# KiCad board vme-wren.kicad_pcb (continued)
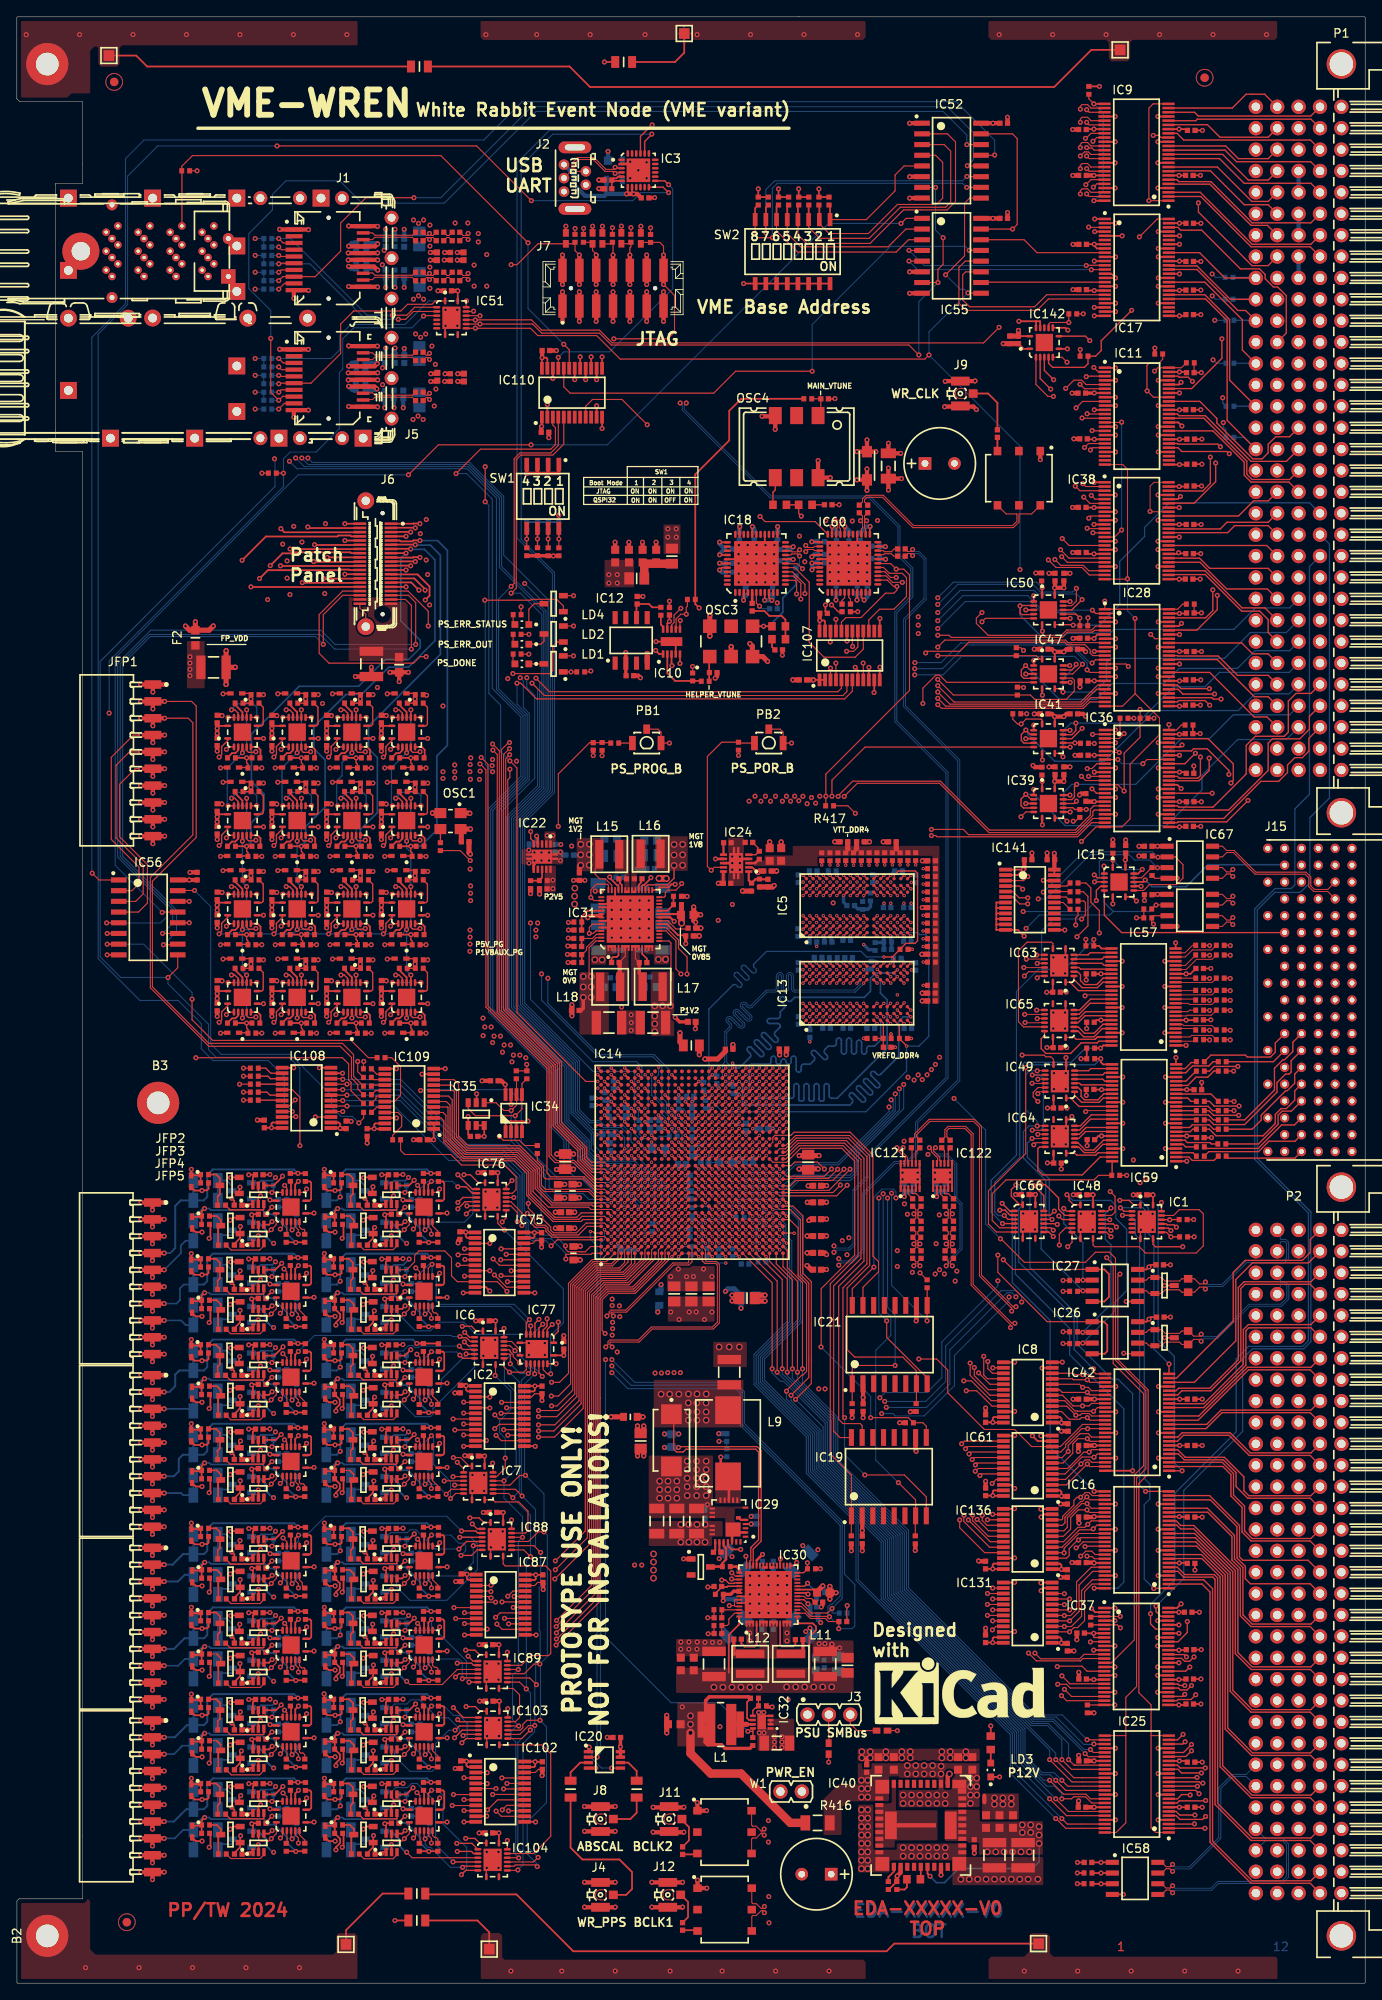
[diagram p0: board, top side]
## Library data of the parts (continued)
P2 = -: Datasheet: \\cern.ch\dfs\Applications\Altium\Datasheets\HARTING_02 01 160 2101.pdf; Description: HAR-BUS 64; SMD: No; Library Ref: Connector 160zabcd Male (5x32); Library Path: SchLib\Connectors.SchLib; Component Kind: Standard; Component Type: Standard; Pin Count: 162; Footprint Path: PcbLib\HARTING THD.PcbLib; Footprint Ref: HARTING_02 01 160 2101; Family: HAR-BUS 64; Mounted: Yes; Socket: No; PressFit: No; Sense: No; Status: None; Part Description: DIN 41612, har-bus 64, 160 poles,5 Rows z+a+b+c+d, Angled solder pins, Male contacts, Pitch 2.54mm; Manufacturer: HARTING; Manufacturer Part Number: 02 01 160 2101; ComponentHeight: 11.1mm; HelpURL: \\cern.ch\dfs\Applications\Altium\Datasheets\HARTING_02 01 160 2101.pdf; Author: CERN DEM JLC; CreateDate: 11/26/08 00:00:00; LatestRevisionDate: 07/26/22 00:00:00; Database Table Name: Connectors; Library Name: HARTING; Footprint Library: HARTING THD; License: CC-BY-SA 4.0; Field42: a; Field43: d; Field44: 10; Field45: 1; Field46: 5; Field47: 20; Field48: c; Field49: 32; Field50: 25; Field51: 30; Field52: b; Field53: 15
PB1 PB2 = -: Datasheet: \\cern.ch\dfs\Applications\Altium\Datasheets\PB_OMRON_B3U-1100P.pdf; Author: CERN DEM JLC; Component Kind: Standard; Component Type: Standard; ComponentHeight: 1.75mm; CreateDate: 03/16/10 00:00:00; Database Table Name: Eletro-mechanical; Family: Push Button; Footprint Library: Switches; Footprint Path: PcbLib\Switches.PcbLib; HelpURL: \\cern.ch\dfs\Applications\Altium\Datasheets\PB_OMRON_B3U-1100P.pdf; LatestRevisionDate: 03/16/10 00:00:00; Library Name: Switches; Library Path: SchLib\Switches.SchLib; Library Ref: PB SPST 1NO-2NO 3CASE; License: CC-BY-SA 4.0; Manufacturer: OMRON; Mounted: Yes; PackageDescription: Body 1.2x3x2.5mm Ultra-Small Tactile SPST Pushbutton Switch, (with Ground Terminal), OMRON B3U Series; Part Description: 3x2.5mm Ultra-Small Tactile SPST Pushbutton Switch (with Ground Terminal),Contact Rating 50mA 12VDC, B3U Series; Pin Count: 3; PressFit: No; SMD: Yes; Sense: No; Socket: No; Status: None
R1 R20-R23 R34 R57 R58 = -: Datasheet: \\cern.ch\dfs\Applications\Altium\Datasheets\R0402_Phycomp_RC0402.pdf; Author: CERN DEM JLC; Case: 0402; Comment: 240; Component Kind: Standard; Component Type: Standard; CreateDate: 12/03/07 00:00:00; Database Table Name: Resistors; Footprint Library: Resistors SMD; Footprint Path: PcbLib\Resistors SMD.PcbLib; Footprint Ref: RESC1005X40N; HelpURL: \\cern.ch\dfs\Applications\Altium\Datasheets\R0402_Phycomp_RC0402.pdf; LatestRevisionDate: 10/17/12 00:00:00; Library Name: Resistors SMD; Library Path: SchLib\Resistors.SchLib; Library Ref: Resistor - 1%; License: CC-BY-SA 4.0; Manufacturer: GENERIC; Manufacturer1 ComponentHeight: 0.4mm; Manufacturer1 Example: YAGEO PHYCOMP; Manufacturer1 Part Number: 232270672401L; Mounted: Yes; Part Description: General Purpose Thick Film Chip Resistor; Pin Count: 2; Power: 0.0625W; PressFit: No; SMD: Yes; Sense: No; Socket: No; Status: Not Recommended; TC: ±100ppm/°C; Tolerance: ±1%; Val: 240
R2 = -: Datasheet: \\cern.ch\dfs\Applications\Altium\Datasheets\R0402_Phycomp_RC0402.pdf; Description: ±1%; TC: ±100ppm/°C; SMD: Yes; Tolerance: ±1%; Val: 300; Library Ref: Resistor - 1%; Library Path: SchLib\Resistors.SchLib; Comment: 300; Component Kind: Standard; Component Type: Standard; Pin Count: 2; Footprint Path: PcbLib\Resistors SMD.PcbLib; Footprint Ref: RESC1005X40N; Status: Not Recommended; Power: 0.0625W; Part Description: General Purpose Thick Film Chip Resistor; Manufacturer: GENERIC; Case: 0402; PressFit: No; Mounted: Yes; Sense: No; Socket: No; Manufacturer1 Example: YAGEO PHYCOMP; Manufacturer1 Part Number: 232270673001L; Manufacturer1 ComponentHeight: 0.4mm; HelpURL: \\cern.ch\dfs\Applications\Altium\Datasheets\R0402_Phycomp_RC0402.pdf; Author: CERN DEM JLC; CreateDate: 12/03/07 00:00:00; LatestRevisionDate: 10/17/12 00:00:00; Database Table Name: Resistors; Library Name: Resistors SMD; Footprint Library: Resistors SMD; License: CC-BY-SA 4.0
R3 R4 = -: Datasheet: \\cern.ch\dfs\Applications\Altium\Datasheets\R0402_Phycomp_RC0402.pdf; Description: ±1%; Author: CERN DEM JLC; Case: 0402; Comment: 300; Component Kind: Standard; Component Type: Standard; CreateDate: 12/03/07 00:00:00; Database Table Name: Resistors; Footprint Library: Resistors SMD; Footprint Path: PcbLib\Resistors SMD.PcbLib; Footprint Ref: RESC1005X40N; HelpURL: \\cern.ch\dfs\Applications\Altium\Datasheets\R0402_Phycomp_RC0402.pdf; LatestRevisionDate: 10/17/12 00:00:00; Library Name: Resistors SMD; Library Path: SchLib\Resistors.SchLib; Library Ref: Resistor - 1%; License: CC-BY-SA 4.0; Manufacturer: GENERIC; Manufacturer1 ComponentHeight: 0.4mm; Manufacturer1 Example: YAGEO PHYCOMP; Manufacturer1 Part Number: 232270673001L; Mounted: Yes; Part Description: General Purpose Thick Film Chip Resistor; Pin Count: 2; Power: 0.0625W; PressFit: No; SMD: Yes; Sense: No; Socket: No; Status: Not Recommended; TC: ±100ppm/°C; Tolerance: ±1%; Val: 300
R5 R19 R254 R255 R390 R392 R394 R446 = -: Datasheet: \\cern.ch\dfs\Applications\Altium\Datasheets\R0402_Phycomp_RC0402.pdf; TC: ±100ppm/°C; SMD: Yes; Tolerance: ±1%; Val: 4k7; Library Ref: Resistor - 1%; Library Path: SchLib\Resistors.SchLib; Comment: 4k7; Component Kind: Standard; Component Type: Standard; Pin Count: 2; Footprint Path: PcbLib\Resistors SMD.PcbLib; Footprint Ref: RESC1005X40N; Status: Not Recommended; Power: 0.0625W; Part Description: General Purpose Thick Film Chip Resistor; Manufacturer: GENERIC; Case: 0402; PressFit: No; Mounted: Yes; Sense: No; Socket: No; Manufacturer1 Example: YAGEO PHYCOMP; Manufacturer1 Part Number: 232270674702L; Manufacturer1 ComponentHeight: 0.4mm; HelpURL: \\cern.ch\dfs\Applications\Altium\Datasheets\R0402_Phycomp_RC0402.pdf; Author: CERN DEM JLC; CreateDate: 12/03/07 00:00:00; LatestRevisionDate: 10/17/12 00:00:00; Database Table Name: Resistors; Library Name: Resistors SMD; Footprint Library: Resistors SMD; License: CC-BY-SA 4.0
R6 R10 R40 R48 R49 R55 R56 R59-R61 R67-R69 R89 R90 R92 R95 R98 R99 R101-R104 R114 R117 R121 R122 R124 R126 R133 R140 R141 R148 R154 R155 R171 R177 R178 R186 R189 R192 R204 R223 R260 R263-R266 R273 R274 R287 R288 R301 R302 R315 R316 R329 R330 R343 R344 R357 R358 R371 R372 R385 = -: Datasheet: \\cern.ch\dfs\Applications\Altium\Datasheets\R0402_Phycomp_RC0402.pdf; Description: ±1%; TC: ±100ppm/°C; SMD: Yes; Val: 10k; Library Ref: Resistor - 1%; Library Path: SchLib\Resistors.SchLib; Comment: 10k; Component Kind: Standard; Component Type: Standard; Pin Count: 2; Footprint Path: PcbLib\Resistors SMD.PcbLib; Footprint Ref: RESC1005X40N; Status: Not Recommended; Power: 0.0625W; Tolerance: ±1%; Part Description: General Purpose Thick Film Chip Resistor; Manufacturer: GENERIC; Case: 0402; PressFit: No; Mounted: Yes; Sense: No; Socket: No; Manufacturer1 Example: YAGEO PHYCOMP; Manufacturer1 Part Number: 232270671003L; Manufacturer1 ComponentHeight: 0.4mm; HelpURL: \\cern.ch\dfs\Applications\Altium\Datasheets\R0402_Phycomp_RC0402.pdf; Author: CERN DEM JLC; CreateDate: 12/03/07 00:00:00; LatestRevisionDate: 10/17/12 00:00:00; Database Table Name: Resistors; Library Name: Resistors SMD; Footprint Library: Resistors SMD; License: CC-BY-SA 4.0
R7 R24 R62 R118 R120 R125 R127 R128 R212 R227 = -: Datasheet: \\cern.ch\dfs\Applications\Altium\Datasheets\R0402_Phycomp_RC0402.pdf; Author: CERN DEM JLC; Case: 0402; Comment: 10k; Component Kind: Standard; Component Type: Standard; CreateDate: 12/03/07 00:00:00; Database Table Name: Resistors; Footprint Library: Resistors SMD; Footprint Path: PcbLib\Resistors SMD.PcbLib; Footprint Ref: RESC1005X40N; HelpURL: \\cern.ch\dfs\Applications\Altium\Datasheets\R0402_Phycomp_RC0402.pdf; LatestRevisionDate: 10/17/12 00:00:00; Library Name: Resistors SMD; Library Path: SchLib\Resistors.SchLib; Library Ref: Resistor - 1%; License: CC-BY-SA 4.0; Manufacturer: GENERIC; Manufacturer1 ComponentHeight: 0.4mm; Manufacturer1 Example: YAGEO PHYCOMP; Manufacturer1 Part Number: 232270671003L; Mounted: Yes; Part Description: General Purpose Thick Film Chip Resistor; Pin Count: 2; Power: 0.0625W; PressFit: No; SMD: Yes; Sense: No; Socket: No; Status: Not Recommended; TC: ±100ppm/°C; Tolerance: ±1%; Val: 10k
R8 R9 R12-R16 R25 R26 R46 R51-R54 R64 R113 R115 R168-R170 R226 = -: Datasheet: \\cern.ch\dfs\Applications\Altium\Datasheets\R0402_Phycomp_RC0402.pdf; Author: CERN DEM JLC; Case: 0402; Comment: 4k7; Component Kind: Standard; Component Type: Standard; CreateDate: 12/03/07 00:00:00; Database Table Name: Resistors; Footprint Library: Resistors SMD; Footprint Path: PcbLib\Resistors SMD.PcbLib; Footprint Ref: RESC1005X40N; HelpURL: \\cern.ch\dfs\Applications\Altium\Datasheets\R0402_Phycomp_RC0402.pdf; LatestRevisionDate: 10/17/12 00:00:00; Library Name: Resistors SMD; Library Path: SchLib\Resistors.SchLib; Library Ref: Resistor - 1%; License: CC-BY-SA 4.0; Manufacturer: GENERIC; Manufacturer1 ComponentHeight: 0.4mm; Manufacturer1 Example: YAGEO PHYCOMP; Manufacturer1 Part Number: 232270674702L; Mounted: Yes; Part Description: General Purpose Thick Film Chip Resistor; Pin Count: 2; Power: 0.0625W; PressFit: No; SMD: Yes; Sense: No; Socket: No; Status: Not Recommended; TC: ±100ppm/°C; Tolerance: ±1%; Val: 4k7
R11 = -: Datasheet: \\cern.ch\dfs\Applications\Altium\Datasheets\R0402_VISHAY_PNM.pdf; Author: CERN DEM JLC; Case: 0402; Comment: 500; Component Kind: Standard; Component Type: Standard; ComponentHeight: 0.84mm; CreateDate: 08/22/18 00:00:00; Database Table Name: Resistors; Footprint Library: Resistors SMD; Footprint Path: PcbLib\Resistors SMD.PcbLib; Footprint Ref: RESC1106X84N; HelpURL: \\cern.ch\dfs\Applications\Altium\Datasheets\R0402_VISHAY_PNM.pdf; LatestRevisionDate: 08/22/18 00:00:00; Library Name: Resistors SMD; Library Path: SchLib\Resistors.SchLib; Library Ref: Resistor - 0.1%; License: CC-BY-SA 4.0; Manufacturer: VISHAY; Manufacturer Part Number: PNM0402E5000BST1; Mounted: Yes; Part Description: Surface Mount Precision Thin Film Non-Magnetic Resistor; Pin Count: 2; Power: 0.05W; PressFit: No; SMD: Yes; Sense: No; Socket: No; Status: None; TC: ±25ppm/°C; Tolerance: ±0.1%; Val: 500
R17 R18 R30 R31 R389 R391 R393 R395 = -: Datasheet: \\cern.ch\dfs\Applications\Altium\Datasheets\R0402_Phycomp_RC0402.pdf; SMD: Yes; TC: ±100ppm/°C; Tolerance: ±1%; Val: 4k7; Library Ref: Resistor - 1%; Library Path: SchLib\Resistors.SchLib; Comment: 4k7; Component Kind: Standard; Component Type: Standard; Pin Count: 2; Footprint Path: PcbLib\Resistors SMD.PcbLib; Footprint Ref: RESC1005X40N; Status: Not Recommended; Power: 0.0625W; Part Description: General Purpose Thick Film Chip Resistor; Manufacturer: GENERIC; Case: 0402; PressFit: No; Mounted: Yes; Sense: No; Socket: No; Manufacturer1 Example: YAGEO PHYCOMP; Manufacturer1 Part Number: 232270674702L; Manufacturer1 ComponentHeight: 0.4mm; HelpURL: \\cern.ch\dfs\Applications\Altium\Datasheets\R0402_Phycomp_RC0402.pdf; Author: CERN DEM JLC; CreateDate: 12/03/07 00:00:00; LatestRevisionDate: 10/17/12 00:00:00; Database Table Name: Resistors; Library Name: Resistors SMD; Footprint Library: Resistors SMD; License: CC-BY-SA 4.0
R27 R190 R191 = -: Datasheet: \\cern.ch\dfs\Applications\Altium\Datasheets\R0402_Phycomp_RC0402.pdf; Author: CERN DEM JLC; Case: 0402; Comment: 22; Component Kind: Standard; Component Type: Standard; CreateDate: 12/03/07 00:00:00; Database Table Name: Resistors; Footprint Library: Resistors SMD; Footprint Path: PcbLib\Resistors SMD.PcbLib; Footprint Ref: RESC1005X40N; HelpURL: \\cern.ch\dfs\Applications\Altium\Datasheets\R0402_Phycomp_RC0402.pdf; LatestRevisionDate: 10/17/12 00:00:00; Library Name: Resistors SMD; Library Path: SchLib\Resistors.SchLib; Library Ref: Resistor - 1%; License: CC-BY-SA 4.0; Manufacturer: GENERIC; Manufacturer1 ComponentHeight: 0.4mm; Manufacturer1 Example: YAGEO PHYCOMP; Manufacturer1 Part Number: 232270672209L; Mounted: Yes; Part Description: General Purpose Thick Film Chip Resistor; Pin Count: 2; Power: 0.0625W; PressFit: No; SMD: Yes; Sense: No; Socket: No; Status: Not Recommended; TC: ±100ppm/°C; Tolerance: ±1%; Val: 22
R28 R33 R50 R93 R123 R129 R130 R142-R145 R156-R159 R164 R179 R180 R182 R183 R218-R220 R275-R278 R281 R289-R292 R295 R303-R306 R317-R320 R331-R334 R337 R345-R348 R351 R359-R362 R365 R373-R376 R379 R404-R407 R418-R421 R432-R435 R438 R448 R508 R509 R512-R515 R518-R521 R524-R527 R530-R533 R536-R539 R542-R545 R548-R551 R554-R557 R560-R563 R566-R569 R572-R575 R578-R581 = -: Datasheet: \\cern.ch\dfs\Applications\Altium\Datasheets\R0402_Phycomp_RC0402.pdf; TC: ±200ppm/°C; SMD: Yes; Tolerance: ±1%; Val: 4R7; Library Ref: Resistor - 1%; Library Path: SchLib\Resistors.SchLib; Comment: 4R7; Component Kind: Standard; Component Type: Standard; Pin Count: 2; Footprint Path: PcbLib\Resistors SMD.PcbLib; Footprint Ref: RESC1005X40N; Status: Not Recommended; Power: 0.0625W; Part Description: General Purpose Thick Film Chip Resistor; Manufacturer: GENERIC; Case: 0402; PressFit: No; Mounted: Yes; Sense: No; Socket: No; Manufacturer1 Example: YAGEO PHYCOMP; Manufacturer1 Part Number: 232270674708L; Manufacturer1 ComponentHeight: 0.4mm; HelpURL: \\cern.ch\dfs\Applications\Altium\Datasheets\R0402_Phycomp_RC0402.pdf; Author: CERN DEM JLC; CreateDate: 12/03/07 00:00:00; LatestRevisionDate: 10/17/12 00:00:00; Database Table Name: Resistors; Library Name: Resistors SMD; Footprint Library: Resistors SMD; License: CC-BY-SA 4.0
R29 R32 = -: Datasheet: \\cern.ch\dfs\Applications\Altium\Datasheets\R0402_Phycomp_RC0402.pdf; Author: CERN DEM JLC; Case: 0402; Comment: 4R7; Component Kind: Standard; Component Type: Standard; CreateDate: 12/03/07 00:00:00; Database Table Name: Resistors; Footprint Library: Resistors SMD; Footprint Path: PcbLib\Resistors SMD.PcbLib; Footprint Ref: RESC1005X40N; HelpURL: \\cern.ch\dfs\Applications\Altium\Datasheets\R0402_Phycomp_RC0402.pdf; LatestRevisionDate: 10/17/12 00:00:00; Library Name: Resistors SMD; Library Path: SchLib\Resistors.SchLib; Library Ref: Resistor - 1%; License: CC-BY-SA 4.0; Manufacturer: GENERIC; Manufacturer1 ComponentHeight: 0.4mm; Manufacturer1 Example: YAGEO PHYCOMP; Manufacturer1 Part Number: 232270674708L; Mounted: Yes; Part Description: General Purpose Thick Film Chip Resistor; Pin Count: 2; Power: 0.0625W; PressFit: No; SMD: Yes; Sense: No; Socket: No; Status: Not Recommended; TC: ±200ppm/°C; Tolerance: ±1%; Val: 4R7
R35 R131 R132 R146 R147 R166 R167 R184 R185 R267 R279 R280 R293 R294 R307-R309 R321-R323 R335 R336 R349 R350 R363 R364 R377 R378 R408-R410 R422-R424 R436 R437 R510 R511 R516 R517 R522 R523 R528 R529 R534 R535 R540 R541 R546 R547 R552 R553 R558 R559 R564 R565 R570 R571 R576 R577 R582 R583 = -: Datasheet: \\cern.ch\dfs\Applications\Altium\Datasheets\R0402_Phycomp_RC0402.pdf; TC: ±100ppm/°C; SMD: Yes; Tolerance: ±1%; Val: 1k; Library Ref: Resistor - 1%; Library Path: SchLib\Resistors.SchLib; Comment: 1k; Component Kind: Standard; Component Type: Standard; Pin Count: 2; Footprint Path: PcbLib\Resistors SMD.PcbLib; Footprint Ref: RESC1005X40N; Status: Not Recommended; Power: 0.0625W; Part Description: General Purpose Thick Film Chip Resistor; Manufacturer: GENERIC; Case: 0402; PressFit: No; Mounted: Yes; Sense: No; Socket: No; Manufacturer1 Example: YAGEO PHYCOMP; Manufacturer1 Part Number: 232270671002L; Manufacturer1 ComponentHeight: 0.4mm; HelpURL: \\cern.ch\dfs\Applications\Altium\Datasheets\R0402_Phycomp_RC0402.pdf; Author: CERN DEM JLC; CreateDate: 12/03/07 00:00:00; LatestRevisionDate: 10/17/12 00:00:00; Database Table Name: Resistors; Library Name: Resistors SMD; Footprint Library: Resistors SMD; License: CC-BY-SA 4.0
R36 R63 R207 R215 = -: Datasheet: \\cern.ch\dfs\Applications\Altium\Datasheets\R0402_Phycomp_RC0402.pdf; Author: CERN DEM JLC; Case: 0402; Comment: 1k; Component Kind: Standard; Component Type: Standard; CreateDate: 12/03/07 00:00:00; Database Table Name: Resistors; Footprint Library: Resistors SMD; Footprint Path: PcbLib\Resistors SMD.PcbLib; Footprint Ref: RESC1005X40N; HelpURL: \\cern.ch\dfs\Applications\Altium\Datasheets\R0402_Phycomp_RC0402.pdf; LatestRevisionDate: 10/17/12 00:00:00; Library Name: Resistors SMD; Library Path: SchLib\Resistors.SchLib; Library Ref: Resistor - 1%; License: CC-BY-SA 4.0; Manufacturer: GENERIC; Manufacturer1 ComponentHeight: 0.4mm; Manufacturer1 Example: YAGEO PHYCOMP; Manufacturer1 Part Number: 232270671002L; Mounted: Yes; Part Description: General Purpose Thick Film Chip Resistor; Pin Count: 2; Power: 0.0625W; PressFit: No; SMD: Yes; Sense: No; Socket: No; Status: Not Recommended; TC: ±100ppm/°C; Tolerance: ±1%; Val: 1k
R37 = -: Datasheet: \\cern.ch\dfs\Applications\Altium\Datasheets\R0402_Phycomp_RC0402.pdf; Author: CERN DEM JLC; Case: 0402; Comment: 75k; Component Kind: Standard; Component Type: Standard; CreateDate: 12/03/07 00:00:00; Database Table Name: Resistors; Footprint Library: Resistors SMD; Footprint Path: PcbLib\Resistors SMD.PcbLib; Footprint Ref: RESC1005X40N; HelpURL: \\cern.ch\dfs\Applications\Altium\Datasheets\R0402_Phycomp_RC0402.pdf; LatestRevisionDate: 10/17/12 00:00:00; Library Name: Resistors SMD; Library Path: SchLib\Resistors.SchLib; Library Ref: Resistor - 1%; License: CC-BY-SA 4.0; Manufacturer: GENERIC; Manufacturer1 ComponentHeight: 0.4mm; Manufacturer1 Example: YAGEO PHYCOMP; Manufacturer1 Part Number: 232270677503L; Mounted: Yes; Part Description: General Purpose Thick Film Chip Resistor; Pin Count: 2; Power: 0.0625W; PressFit: No; SMD: Yes; Sense: No; Socket: No; Status: Not Recommended; TC: ±100ppm/°C; Tolerance: ±1%; Val: 75k
R38 R39 = -: Datasheet: \\cern.ch\dfs\Applications\Altium\Datasheets\R0805_Phycomp_RC0805.pdf; Author: CERN DEM JLC; Case: 0805; Comment: 4R7; Component Kind: Standard; Component Type: Standard; CreateDate: 12/03/07 00:00:00; Database Table Name: Resistors; Footprint Library: Resistors SMD; Footprint Path: PcbLib\Resistors SMD.PcbLib; Footprint Ref: RESC2012X60N; HelpURL: \\cern.ch\dfs\Applications\Altium\Datasheets\R0805_Phycomp_RC0805.pdf; LatestRevisionDate: 10/17/12 00:00:00; Library Name: Resistors SMD; Library Path: SchLib\Resistors.SchLib; Library Ref: Resistor - 1%; License: CC-BY-SA 4.0; Manufacturer: GENERIC; Manufacturer1 ComponentHeight: 0.65mm; Manufacturer1 Example: YAGEO PHYCOMP; Manufacturer1 Part Number: 232273464708L or RC0805FR-074R7L; Mounted: Yes; Part Description: General Purpose Thick Film Chip Resistor; Pin Count: 2; Power: 0.125W; PressFit: No; SMD: Yes; Sense: No; Socket: No; Status: Preferred; TC: ±200ppm/°C; Tolerance: ±1%; Val: 4R7
R41 R135 R149 R172 R268 R282 R296 R310 R324 R338 R352 R366 R380 R411 R425 R439 R454 R457 R459 R461 R464-R507 = -: Datasheet: \\cern.ch\dfs\Applications\Altium\Datasheets\R1206_NIC_NRC.pdf; Description: ±1%; Val: 91; Library Ref: Resistor - 1%; Library Path: SchLib\Resistors.SchLib; Comment: 91; Component Kind: Standard; Component Type: Standard; Pin Count: 2; Footprint Path: PcbLib\Resistors SMD.PcbLib; Footprint Ref: RESC3216X65N; Status: Preferred; Power: 0.25W; TC: ±100ppm/°C; Tolerance: ±1%; Part Description: General Purpose Thick Film Chip Resistor; Manufacturer: GENERIC; Case: 1206; PressFit: No; Mounted: Yes; Sense: No; Socket: No; SMD: Yes; Manufacturer1 Example: NIC COMPONENT; Manufacturer1 Part Number: NRC12F91R0TRF; Manufacturer1 ComponentHeight: 0.65mm; HelpURL: \\cern.ch\dfs\Applications\Altium\Datasheets\R1206_NIC_NRC.pdf; Author: CERN DEM JLC; CreateDate: 12/03/07 00:00:00; LatestRevisionDate: 03/13/08 00:00:00; Database Table Name: Resistors; Library Name: Resistors SMD; Footprint Library: Resistors SMD; License: CC-BY-SA 4.0
R42 R43 R45 R47 R136-R139 R150-R153 R173-R176 R269-R272 R283-R286 R297-R300 R311-R314 R325-R328 R339-R342 R353-R356 R367-R370 R381-R384 R412-R415 R426-R429 R440-R445 = -: Datasheet: \\cern.ch\dfs\Applications\Altium\Datasheets\R0402_Phycomp_RC0402.pdf; TC: ±100ppm/°C; SMD: Yes; Tolerance: ±1%; Val: 100; Library Ref: Resistor - 1%; Library Path: SchLib\Resistors.SchLib; Comment: 100; Component Kind: Standard; Component Type: Standard; Pin Count: 2; Footprint Path: PcbLib\Resistors SMD.PcbLib; Footprint Ref: RESC1005X40N; Status: Not Recommended; Power: 0.0625W; Part Description: General Purpose Thick Film Chip Resistor; Manufacturer: GENERIC; Case: 0402; PressFit: No; Mounted: Yes; Sense: No; Socket: No; Manufacturer1 Example: YAGEO PHYCOMP; Manufacturer1 Part Number: 232270671001L; Manufacturer1 ComponentHeight: 0.4mm; HelpURL: \\cern.ch\dfs\Applications\Altium\Datasheets\R0402_Phycomp_RC0402.pdf; Author: CERN DEM JLC; CreateDate: 12/03/07 00:00:00; LatestRevisionDate: 10/17/12 00:00:00; Database Table Name: Resistors; Library Name: Resistors SMD; Footprint Library: Resistors SMD; License: CC-BY-SA 4.0
R44 R119 R160-R163 R194 R195 R222 = -: Datasheet: \\cern.ch\dfs\Applications\Altium\Datasheets\R0402_Phycomp_RC0402.pdf; Author: CERN DEM JLC; Case: 0402; Comment: 100; Component Kind: Standard; Component Type: Standard; CreateDate: 12/03/07 00:00:00; Database Table Name: Resistors; Footprint Library: Resistors SMD; Footprint Path: PcbLib\Resistors SMD.PcbLib; Footprint Ref: RESC1005X40N; HelpURL: \\cern.ch\dfs\Applications\Altium\Datasheets\R0402_Phycomp_RC0402.pdf; LatestRevisionDate: 10/17/12 00:00:00; Library Name: Resistors SMD; Library Path: SchLib\Resistors.SchLib; Library Ref: Resistor - 1%; License: CC-BY-SA 4.0; Manufacturer: GENERIC; Manufacturer1 ComponentHeight: 0.4mm; Manufacturer1 Example: YAGEO PHYCOMP; Manufacturer1 Part Number: 232270671001L; Mounted: Yes; Part Description: General Purpose Thick Film Chip Resistor; Pin Count: 2; Power: 0.0625W; PressFit: No; SMD: Yes; Sense: No; Socket: No; Status: Not Recommended; TC: ±100ppm/°C; Tolerance: ±1%; Val: 100
R65 R66 R86 R94 = -: Datasheet: \\cern.ch\dfs\Applications\Altium\Datasheets\R0402_Phycomp_RC0402.pdf; Author: CERN DEM JLC; Case: 0402; Comment: 0; Component Kind: Standard; Component Type: Standard; CreateDate: 12/03/07 00:00:00; Database Table Name: Resistors; Footprint Library: Resistors SMD; Footprint Path: PcbLib\Resistors SMD.PcbLib; Footprint Ref: RESC1005X40N; HelpURL: \\cern.ch\dfs\Applications\Altium\Datasheets\R0402_Phycomp_RC0402.pdf; LatestRevisionDate: 10/17/12 00:00:00; Library Name: Resistors SMD; Library Path: SchLib\Resistors.SchLib; Library Ref: Resistor; License: CC-BY-SA 4.0; Manufacturer: GENERIC; Manufacturer1 ComponentHeight: 0.4mm; Manufacturer1 Example: YAGEO PHYCOMP; Manufacturer1 Part Number: 232270591001L; Mounted: No; Part Description: 1A (0.05R Max DC Resistance) Zero Ohm Jumper; Pin Count: 2; PressFit: No; SMD: Yes; Sense: No; Socket: No; Status: Not Recommended; Val: 0
R70-R85 R91 R96 R97 R105-R110 = -: Datasheet: \\cern.ch\dfs\Applications\Altium\Datasheets\R0402_VISHAY_CRCW e3.pdf; Author: CERN DEM BC; Case: 0402; Comment: 39R2; Component Kind: Standard; Component Type: Standard; CreateDate: 11/17/20 00:00:00; Database Table Name: Resistors; Footprint Library: Resistors SMD; Footprint Path: PcbLib\Resistors SMD.PcbLib; Footprint Ref: RESC1005X40N; HelpURL: \\cern.ch\dfs\Applications\Altium\Datasheets\R0402_VISHAY_CRCW e3.pdf; LatestRevisionDate: 11/17/20 00:00:00; Library Name: Resistors SMD; Library Path: SchLib\Resistors.SchLib; Library Ref: Resistor - 1%; License: CC-BY-SA 4.0; Manufacturer: GENERIC; Manufacturer1 ComponentHeight: 0.4mm; Manufacturer1 Example: VISHAY; Manufacturer1 Part Number: CRCW040239R2FK; Mounted: Yes; Part Description: General Purpose Thick Film Chip Resistor; Pin Count: 2; Power: 0.063W; PressFit: No; SMD: Yes; Sense: No; Socket: No; Status: None; TC: ±100ppm/°C; Tolerance: ±1%; Val: 39R2
R87 R88 = -: Datasheet: \\cern.ch\dfs\Applications\Altium\Datasheets\R0603_TYCO_CRGH.pdf; Description: ±1%; Val: 120; Library Ref: Resistor - 1%; Library Path: SchLib\Resistors.SchLib; Comment: 120; Component Kind: Standard; Component Type: Standard; Pin Count: 2; Footprint Path: PcbLib\Resistors SMD.PcbLib; Footprint Ref: RESC1608X55N; Status: Preferred; Power: 0.2W; TC: ±200ppm/°C; Tolerance: ±1%; Part Description: General Purpose Thick Film Chip Resistor; Manufacturer: GENERIC; Case: 0603; PressFit: No; Mounted: Yes; Sense: No; Socket: No; SMD: Yes; Manufacturer1 Example: TE CONNECTIVITY; Manufacturer1 Part Number: CRGH0603F120R; Manufacturer1 ComponentHeight: 0.55mm; HelpURL: \\cern.ch\dfs\Applications\Altium\Datasheets\R0603_TYCO_CRGH.pdf; Author: CERN DEM HF; CreateDate: 02/24/23 00:00:00; LatestRevisionDate: 02/24/23 00:00:00; Database Table Name: Resistors; Library Name: Resistors SMD; Footprint Library: Resistors SMD; License: CC-BY-SA 4.0
R100 = -: Datasheet: \\cern.ch\dfs\Applications\Altium\Datasheets\R0402_VISHAY_CRCW e3.pdf; Description: ±1%; TC: ±100ppm/°C; SMD: Yes; Val: 90K9; Library Ref: Resistor - 1%; Library Path: SchLib\Resistors.SchLib; Comment: 90K9; Component Kind: Standard; Component Type: Standard; Pin Count: 2; Footprint Path: PcbLib\Resistors SMD.PcbLib; Footprint Ref: RESC1005X40N; Status: None; Power: 0.063W; Tolerance: ±1%; Part Description: General Purpose Thick Film Chip Resistor; Manufacturer: GENERIC; Case: 0402; PressFit: No; Mounted: Yes; Sense: No; Socket: No; Manufacturer1 Example: VISHAY; Manufacturer1 Part Number: CRCW040290K9FK; Manufacturer1 ComponentHeight: 0.4mm; HelpURL: \\cern.ch\dfs\Applications\Altium\Datasheets\R0402_VISHAY_CRCW e3.pdf; Author: CERN DEM BC; CreateDate: 01/10/20 00:00:00; LatestRevisionDate: 01/10/20 00:00:00; Database Table Name: Resistors; Library Name: Resistors SMD; Footprint Library: Resistors SMD; License: CC-BY-SA 4.0
R111 R112 = -: Datasheet: \\cern.ch\dfs\Applications\Altium\Datasheets\R0402_Phycomp_RC0402.pdf; Author: CERN DEM JLC; Case: 0402; Comment: 36; Component Kind: Standard; Component Type: Standard; CreateDate: 12/03/07 00:00:00; Database Table Name: Resistors; Footprint Library: Resistors SMD; Footprint Path: PcbLib\Resistors SMD.PcbLib; Footprint Ref: RESC1005X40N; HelpURL: \\cern.ch\dfs\Applications\Altium\Datasheets\R0402_Phycomp_RC0402.pdf; LatestRevisionDate: 10/17/12 00:00:00; Library Name: Resistors SMD; Library Path: SchLib\Resistors.SchLib; Library Ref: Resistor - 1%; License: CC-BY-SA 4.0; Manufacturer: GENERIC; Manufacturer1 ComponentHeight: 0.4mm; Manufacturer1 Example: YAGEO PHYCOMP; Manufacturer1 Part Number: 232270673609L; Mounted: Yes; Part Description: General Purpose Thick Film Chip Resistor; Pin Count: 2; Power: 0.0625W; PressFit: No; SMD: Yes; Sense: No; Socket: No; Status: Not Recommended; TC: ±100ppm/°C; Tolerance: ±1%; Val: 36
R116 = -: Datasheet: \\cern.ch\dfs\Applications\Altium\Datasheets\R0402_Phycomp_RC0402.pdf; Description: ±1%; TC: ±100ppm/°C; SMD: Yes; Val: 33; Library Ref: Resistor - 1%; Library Path: SchLib\Resistors.SchLib; Comment: 33; Component Kind: Standard; Component Type: Standard; Pin Count: 2; Footprint Path: PcbLib\Resistors SMD.PcbLib; Footprint Ref: RESC1005X40N; Status: Not Recommended; Power: 0.0625W; Tolerance: ±1%; Part Description: General Purpose Thick Film Chip Resistor; Manufacturer: GENERIC; Case: 0402; PressFit: No; Mounted: Yes; Sense: No; Socket: No; Manufacturer1 Example: YAGEO PHYCOMP; Manufacturer1 Part Number: 232270673309L; Manufacturer1 ComponentHeight: 0.4mm; HelpURL: \\cern.ch\dfs\Applications\Altium\Datasheets\R0402_Phycomp_RC0402.pdf; Author: CERN DEM JLC; CreateDate: 12/03/07 00:00:00; LatestRevisionDate: 10/17/12 00:00:00; Database Table Name: Resistors; Library Name: Resistors SMD; Footprint Library: Resistors SMD; License: CC-BY-SA 4.0
R134 = -: Datasheet: \\cern.ch\dfs\Applications\Altium\Datasheets\R0402_Phycomp_RC0402.pdf; Author: CERN DEM JLC; Case: 0402; Comment: 10; Component Kind: Standard; Component Type: Standard; CreateDate: 06/24/09 00:00:00; Database Table Name: Resistors; Footprint Library: Resistors SMD; Footprint Path: PcbLib\Resistors SMD.PcbLib; Footprint Ref: RESC1005X40N; HelpURL: \\cern.ch\dfs\Applications\Altium\Datasheets\R0402_Phycomp_RC0402.pdf; LatestRevisionDate: 10/17/12 00:00:00; Library Name: Resistors SMD; Library Path: SchLib\Resistors.SchLib; Library Ref: Resistor - 1%; License: CC-BY-SA 4.0; Manufacturer: GENERIC; Manufacturer1 ComponentHeight: 0.4mm; Manufacturer1 Example: YAGEO PHYCOMP; Manufacturer1 Part Number: 232270671009L; Mounted: Yes; Part Description: General Purpose Thick Film Chip Resistor; Pin Count: 2; Power: 0.0625W; PressFit: No; SMD: Yes; Sense: No; Socket: No; Status: Not Recommended; TC: ±200ppm/°C; Tolerance: ±1%; Val: 10
R165 = -: Datasheet: \\cern.ch\dfs\Applications\Altium\Datasheets\R0402_Phycomp_RC0402.pdf; Description: ±1%; Val: 300; Library Ref: Resistor - 1%; Library Path: SchLib\Resistors.SchLib; Comment: 300; Component Kind: Standard; Component Type: Standard; Pin Count: 2; Footprint Path: PcbLib\Resistors SMD.PcbLib; Footprint Ref: RESC1005X40N; Status: Not Recommended; Power: 0.0625W; TC: ±100ppm/°C; Tolerance: ±1%; Part Description: General Purpose Thick Film Chip Resistor; Manufacturer: GENERIC; Case: 0402; PressFit: No; Mounted: Yes; Sense: No; Socket: No; SMD: Yes; Manufacturer1 Example: YAGEO PHYCOMP; Manufacturer1 Part Number: 232270673001L; Manufacturer1 ComponentHeight: 0.4mm; HelpURL: \\cern.ch\dfs\Applications\Altium\Datasheets\R0402_Phycomp_RC0402.pdf; Author: CERN DEM JLC; CreateDate: 12/03/07 00:00:00; LatestRevisionDate: 10/17/12 00:00:00; Database Table Name: Resistors; Library Name: Resistors SMD; Footprint Library: Resistors SMD; License: CC-BY-SA 4.0
R181 = -: Datasheet: \\cern.ch\dfs\Applications\Altium\Datasheets\R0603_NIC_NRC.pdf; Description: ±1%; Val: 15; Library Ref: Resistor - 1%; Library Path: SchLib\Resistors.SchLib; Comment: 15; Component Kind: Standard; Component Type: Standard; Pin Count: 2; Footprint Path: PcbLib\Resistors SMD.PcbLib; Footprint Ref: RESC1608X55N; Status: Preferred; Power: 0.1W; TC: ±100ppm/°C; Tolerance: ±1%; Part Description: General Purpose Thick Film Chip Resistor; Manufacturer: GENERIC; Case: 0603; PressFit: No; Mounted: Yes; Sense: No; Socket: No; SMD: Yes; Manufacturer1 Example: NIC COMPONENT; Manufacturer1 Part Number: NRC06F15R0TRF; Manufacturer1 ComponentHeight: 0.55mm; HelpURL: \\cern.ch\dfs\Applications\Altium\Datasheets\R0603_NIC_NRC.pdf; Author: CERN DEM JLC; CreateDate: 12/03/07 00:00:00; LatestRevisionDate: 03/13/08 00:00:00; Database Table Name: Resistors; Library Name: Resistors SMD; Footprint Library: Resistors SMD; License: CC-BY-SA 4.0
R187 R188 R193 R221 R224 R225 R228-R250 R252 R256-R259 R386 R387 R396 R399 R449-R453 R455 R456 R458 R460 R462 R463 = -: Datasheet: \\cern.ch\dfs\Applications\Altium\Datasheets\R0402_Phycomp_RC0402.pdf; Description: ±1%; Val: 33; Library Ref: Resistor - 1%; Library Path: SchLib\Resistors.SchLib; Comment: 33; Component Kind: Standard; Component Type: Standard; Pin Count: 2; Footprint Path: PcbLib\Resistors SMD.PcbLib; Footprint Ref: RESC1005X40N; Status: Not Recommended; Power: 0.0625W; TC: ±100ppm/°C; Tolerance: ±1%; Part Description: General Purpose Thick Film Chip Resistor; Manufacturer: GENERIC; Case: 0402; PressFit: No; Mounted: Yes; Sense: No; Socket: No; SMD: Yes; Manufacturer1 Example: YAGEO PHYCOMP; Manufacturer1 Part Number: 232270673309L; Manufacturer1 ComponentHeight: 0.4mm; HelpURL: \\cern.ch\dfs\Applications\Altium\Datasheets\R0402_Phycomp_RC0402.pdf; Author: CERN DEM JLC; CreateDate: 12/03/07 00:00:00; LatestRevisionDate: 10/17/12 00:00:00; Database Table Name: Resistors; Library Name: Resistors SMD; Footprint Library: Resistors SMD; License: CC-BY-SA 4.0
R196-R198 R203 R388 R403 R585-R595 = -: Datasheet: \\cern.ch\dfs\Applications\Altium\Datasheets\R0402_Phycomp_RC0402.pdf; Description: ±1%; Val: 10k; Library Ref: Resistor - 1%; Library Path: SchLib\Resistors.SchLib; Comment: 10k; Component Kind: Standard; Component Type: Standard; Pin Count: 2; Footprint Path: PcbLib\Resistors SMD.PcbLib; Footprint Ref: RESC1005X40N; Status: Not Recommended; Power: 0.0625W; TC: ±100ppm/°C; Tolerance: ±1%; Part Description: General Purpose Thick Film Chip Resistor; Manufacturer: GENERIC; Case: 0402; PressFit: No; Mounted: Yes; Sense: No; Socket: No; SMD: Yes; Manufacturer1 Example: YAGEO PHYCOMP; Manufacturer1 Part Number: 232270671003L; Manufacturer1 ComponentHeight: 0.4mm; HelpURL: \\cern.ch\dfs\Applications\Altium\Datasheets\R0402_Phycomp_RC0402.pdf; Author: CERN DEM JLC; CreateDate: 12/03/07 00:00:00; LatestRevisionDate: 10/17/12 00:00:00; Database Table Name: Resistors; Library Name: Resistors SMD; Footprint Library: Resistors SMD; License: CC-BY-SA 4.0
R199 R201 = -: Datasheet: \\cern.ch\dfs\Applications\Altium\Datasheets\R0603_Tyco_RN73.pdf; Author: CERN DEM JLC; Case: 0603; Comment: 523; Component Kind: Standard; Component Type: Standard; CreateDate: 12/03/07 00:00:00; Database Table Name: Resistors; Footprint Library: Resistors SMD; Footprint Path: PcbLib\Resistors SMD.PcbLib; Footprint Ref: RESC1608X55N; HelpURL: \\cern.ch\dfs\Applications\Altium\Datasheets\R0603_Tyco_RN73.pdf; LatestRevisionDate: 03/13/08 00:00:00; Library Name: Resistors SMD; Library Path: SchLib\Resistors.SchLib; Library Ref: Resistor - 0.1%; License: CC-BY-SA 4.0; Manufacturer: GENERIC; Manufacturer1 ComponentHeight: 0.5mm; Manufacturer1 Example: TYCO HOLSWORTHY; Manufacturer1 Part Number: RN73C1J523RBTDF; Mounted: Yes; Part Description: Thin Film Chip Resistor; Pin Count: 2; Power: 0.063W; PressFit: No; SMD: Yes; Sense: No; Socket: No; Status: Not Recommended; TC: ±10ppm; Tolerance: ±0.1%; Val: 523
R200 R202 = -: Datasheet: \\cern.ch\dfs\Applications\Altium\Datasheets\R0603_Tyco_RN73.pdf; Author: CERN DEM JLC; Case: 0603; Comment: 442; Component Kind: Standard; Component Type: Standard; CreateDate: 12/03/07 00:00:00; Database Table Name: Resistors; Footprint Library: Resistors SMD; Footprint Path: PcbLib\Resistors SMD.PcbLib; Footprint Ref: RESC1608X55N; HelpURL: \\cern.ch\dfs\Applications\Altium\Datasheets\R0603_Tyco_RN73.pdf; LatestRevisionDate: 03/13/08 00:00:00; Library Name: Resistors SMD; Library Path: SchLib\Resistors.SchLib; Library Ref: Resistor - 0.1%; License: CC-BY-SA 4.0; Manufacturer: GENERIC; Manufacturer1 ComponentHeight: 0.5mm; Manufacturer1 Example: TYCO HOLSWORTHY; Manufacturer1 Part Number: RN73C1J442RBTDF; Mounted: Yes; Part Description: Thin Film Chip Resistor; Pin Count: 2; Power: 0.063W; PressFit: No; SMD: Yes; Sense: No; Socket: No; Status: Not Recommended; TC: ±10ppm; Tolerance: ±0.1%; Val: 442
R205 R213 = -: Datasheet: \\cern.ch\dfs\Applications\Altium\Datasheets\R0402_Phycomp_RC0402.pdf; Author: CERN DEM JLC; Case: 0402; Comment: 2R2; Component Kind: Standard; Component Type: Standard; CreateDate: 12/03/07 00:00:00; Database Table Name: Resistors; Footprint Library: Resistors SMD; Footprint Path: PcbLib\Resistors SMD.PcbLib; Footprint Ref: RESC1005X40N; HelpURL: \\cern.ch\dfs\Applications\Altium\Datasheets\R0402_Phycomp_RC0402.pdf; LatestRevisionDate: 10/17/12 00:00:00; Library Name: Resistors SMD; Library Path: SchLib\Resistors.SchLib; Library Ref: Resistor - 1%; License: CC-BY-SA 4.0; Manufacturer: GENERIC; Manufacturer1 ComponentHeight: 0.4mm; Manufacturer1 Example: YAGEO PHYCOMP; Manufacturer1 Part Number: 232270672208L; Mounted: Yes; Part Description: General Purpose Thick Film Chip Resistor; Pin Count: 2; Power: 0.0625W; PressFit: No; SMD: Yes; Sense: No; Socket: No; Status: Not Recommended; TC: ±200ppm/°C; Tolerance: ±1%; Val: 2R2
R206 = -: Datasheet: \\cern.ch\dfs\Applications\Altium\Datasheets\R0402_VISHAY_CRCW e3.pdf; Author: CERN DEM BC; Case: 0402; Comment: 1k4; Component Kind: Standard; Component Type: Standard; CreateDate: 02/08/21 00:00:00; Database Table Name: Resistors; Footprint Library: Resistors SMD; Footprint Path: PcbLib\Resistors SMD.PcbLib; Footprint Ref: RESC1005X40N; HelpURL: \\cern.ch\dfs\Applications\Altium\Datasheets\R0402_VISHAY_CRCW e3.pdf; LatestRevisionDate: 02/08/21 00:00:00; Library Name: Resistors SMD; Library Path: SchLib\Resistors.SchLib; Library Ref: Resistor - 1%; License: CC-BY-SA 4.0; Manufacturer: GENERIC; Manufacturer1 ComponentHeight: 0.4mm; Manufacturer1 Example: VISHAY; Manufacturer1 Part Number: CRCW04021K40FK; Mounted: Yes; Part Description: General Purpose Thick Film Chip Resistor; Pin Count: 2; Power: 0.063W; PressFit: No; SMD: Yes; Sense: No; Socket: No; Status: None; TC: ±100ppm/°C; Tolerance: ±1%; Val: 1k4
R208 R209 = -: Datasheet: \\cern.ch\dfs\Applications\Altium\Datasheets\R0402_VISHAY_CRCW e3.pdf; Author: CERN DEM BC; Case: 0402; Comment: 2K87; Component Kind: Standard; Component Type: Standard; CreateDate: 02/08/21 00:00:00; Database Table Name: Resistors; Footprint Library: Resistors SMD; Footprint Path: PcbLib\Resistors SMD.PcbLib; Footprint Ref: RESC1005X40N; HelpURL: \\cern.ch\dfs\Applications\Altium\Datasheets\R0402_VISHAY_CRCW e3.pdf; LatestRevisionDate: 02/08/21 00:00:00; Library Name: Resistors SMD; Library Path: SchLib\Resistors.SchLib; Library Ref: Resistor - 1%; License: CC-BY-SA 4.0; Manufacturer: GENERIC; Manufacturer1 ComponentHeight: 0.4mm; Manufacturer1 Example: VISHAY; Manufacturer1 Part Number: CRCW04022K87FK; Mounted: Yes; Part Description: General Purpose Thick Film Chip Resistor; Pin Count: 2; Power: 0.063W; PressFit: No; SMD: Yes; Sense: No; Socket: No; Status: None; TC: ±100ppm/°C; Tolerance: ±1%; Val: 2K87
R210 = -: Datasheet: \\cern.ch\dfs\Applications\Altium\Datasheets\R0402_Phycomp_RC0402.pdf; Author: CERN DEM JLC; Case: 0402; Comment: 1M1; Component Kind: Standard; Component Type: Standard; CreateDate: 12/03/07 00:00:00; Database Table Name: Resistors; Footprint Library: Resistors SMD; Footprint Path: PcbLib\Resistors SMD.PcbLib; Footprint Ref: RESC1005X40N; HelpURL: \\cern.ch\dfs\Applications\Altium\Datasheets\R0402_Phycomp_RC0402.pdf; LatestRevisionDate: 10/17/12 00:00:00; Library Name: Resistors SMD; Library Path: SchLib\Resistors.SchLib; Library Ref: Resistor - 1%; License: CC-BY-SA 4.0; Manufacturer: GENERIC; Manufacturer1 ComponentHeight: 0.4mm; Manufacturer1 Example: YAGEO PHYCOMP; Manufacturer1 Part Number: 232270671105L; Mounted: Yes; Part Description: General Purpose Thick Film Chip Resistor; Pin Count: 2; Power: 0.0625W; PressFit: No; SMD: Yes; Sense: No; Socket: No; Status: Not Recommended; TC: ±100ppm/°C; Tolerance: ±1%; Val: 1M1
R211 = -: Datasheet: \\cern.ch\dfs\Applications\Altium\Datasheets\R0402_VISHAY_CRCW e3.pdf; Author: CERN DEM BC; Case: 0402; Comment: 210k; Component Kind: Standard; Component Type: Standard; CreateDate: 02/08/21 00:00:00; Database Table Name: Resistors; Footprint Library: Resistors SMD; Footprint Path: PcbLib\Resistors SMD.PcbLib; Footprint Ref: RESC1005X40N; HelpURL: \\cern.ch\dfs\Applications\Altium\Datasheets\R0402_VISHAY_CRCW e3.pdf; LatestRevisionDate: 02/08/21 00:00:00; Library Name: Resistors SMD; Library Path: SchLib\Resistors.SchLib; Library Ref: Resistor - 1%; License: CC-BY-SA 4.0; Manufacturer: GENERIC; Manufacturer1 ComponentHeight: 0.4mm; Manufacturer1 Example: VISHAY; Manufacturer1 Part Number: CRCW0402210KFK; Mounted: Yes; Part Description: General Purpose Thick Film Chip Resistor; Pin Count: 2; Power: 0.063W; PressFit: No; SMD: Yes; Sense: No; Socket: No; Status: None; TC: ±100ppm/°C; Tolerance: ±1%; Val: 210k
R214 = -: Datasheet: \\cern.ch\dfs\Applications\Altium\Datasheets\R0402_VISHAY_CRCW e3.pdf; Author: CERN DEM BC; Case: 0402; Comment: 698; Component Kind: Standard; Component Type: Standard; CreateDate: 02/08/21 00:00:00; Database Table Name: Resistors; Footprint Library: Resistors SMD; Footprint Path: PcbLib\Resistors SMD.PcbLib; Footprint Ref: RESC1005X40N; HelpURL: \\cern.ch\dfs\Applications\Altium\Datasheets\R0402_VISHAY_CRCW e3.pdf; LatestRevisionDate: 02/08/21 00:00:00; Library Name: Resistors SMD; Library Path: SchLib\Resistors.SchLib; Library Ref: Resistor - 1%; License: CC-BY-SA 4.0; Manufacturer: GENERIC; Manufacturer1 ComponentHeight: 0.4mm; Manufacturer1 Example: VISHAY; Manufacturer1 Part Number: CRCW0402698RFK; Mounted: Yes; Part Description: General Purpose Thick Film Chip Resistor; Pin Count: 2; Power: 0.063W; PressFit: No; SMD: Yes; Sense: No; Socket: No; Status: None; TC: ±100ppm/°C; Tolerance: ±1%; Val: 698
R216 R217 = -: Datasheet: \\cern.ch\dfs\Applications\Altium\Datasheets\R0402_VISHAY_CRCW e3.pdf; Author: CERN DEM BC; Case: 0402; Comment: 3K48; Component Kind: Standard; Component Type: Standard; CreateDate: 02/08/21 00:00:00; Database Table Name: Resistors; Footprint Library: Resistors SMD; Footprint Path: PcbLib\Resistors SMD.PcbLib; Footprint Ref: RESC1005X40N; HelpURL: \\cern.ch\dfs\Applications\Altium\Datasheets\R0402_VISHAY_CRCW e3.pdf; LatestRevisionDate: 02/08/21 00:00:00; Library Name: Resistors SMD; Library Path: SchLib\Resistors.SchLib; Library Ref: Resistor - 1%; License: CC-BY-SA 4.0; Manufacturer: GENERIC; Manufacturer1 ComponentHeight: 0.4mm; Manufacturer1 Example: VISHAY; Manufacturer1 Part Number: CRCW04023K48FK; Mounted: Yes; Part Description: General Purpose Thick Film Chip Resistor; Pin Count: 2; Power: 0.063W; PressFit: No; SMD: Yes; Sense: No; Socket: No; Status: None; TC: ±100ppm/°C; Tolerance: ±1%; Val: 3K48
R251 = -: Datasheet: \\cern.ch\dfs\Applications\Altium\Datasheets\R0603_NIC_NRC.pdf; Author: CERN DEM JLC; Case: 0603; Comment: 820; Component Kind: Standard; Component Type: Standard; CreateDate: 12/03/07 00:00:00; Database Table Name: Resistors; Footprint Library: Resistors SMD; Footprint Path: PcbLib\Resistors SMD.PcbLib; Footprint Ref: RESC1608X55N; HelpURL: \\cern.ch\dfs\Applications\Altium\Datasheets\R0603_NIC_NRC.pdf; LatestRevisionDate: 03/13/08 00:00:00; Library Name: Resistors SMD; Library Path: SchLib\Resistors.SchLib; Library Ref: Resistor - 1%; License: CC-BY-SA 4.0; Manufacturer: GENERIC; Manufacturer1 ComponentHeight: 0.55mm; Manufacturer1 Example: NIC COMPONENT; Manufacturer1 Part Number: NRC06F8200TRF; Mounted: Yes; Part Description: General Purpose Thick Film Chip Resistor; Pin Count: 2; Power: 0.1W; PressFit: No; SMD: Yes; Sense: No; Socket: No; Status: Preferred; TC: ±100ppm/°C; Tolerance: ±1%; Val: 820
R253 = -: Datasheet: \\cern.ch\dfs\Applications\Altium\Datasheets\R0402_VISHAY_CRCW e3.pdf; Author: CERN DEM BC; Case: 0402; Comment: 402; Component Kind: Standard; Component Type: Standard; CreateDate: 02/08/21 00:00:00; Database Table Name: Resistors; Footprint Library: Resistors SMD; Footprint Path: PcbLib\Resistors SMD.PcbLib; Footprint Ref: RESC1005X40N; HelpURL: \\cern.ch\dfs\Applications\Altium\Datasheets\R0402_VISHAY_CRCW e3.pdf; LatestRevisionDate: 02/08/21 00:00:00; Library Name: Resistors SMD; Library Path: SchLib\Resistors.SchLib; Library Ref: Resistor - 1%; License: CC-BY-SA 4.0; Manufacturer: GENERIC; Manufacturer1 ComponentHeight: 0.4mm; Manufacturer1 Example: VISHAY; Manufacturer1 Part Number: CRCW0402402RFK; Mounted: Yes; Part Description: General Purpose Thick Film Chip Resistor; Pin Count: 2; Power: 0.063W; PressFit: No; SMD: Yes; Sense: No; Socket: No; Status: None; TC: ±100ppm/°C; Tolerance: ±1%; Val: 402
R261 = -: Datasheet: \\cern.ch\dfs\Applications\Altium\Datasheets\R0402_Phycomp_RC0402.pdf; Val: 4R7; Library Ref: Resistor - 1%; Library Path: SchLib\Resistors.SchLib; Comment: 4R7; Component Kind: Standard; Component Type: Standard; Pin Count: 2; Footprint Path: PcbLib\Resistors SMD.PcbLib; Footprint Ref: RESC1005X40N; Status: Not Recommended; Power: 0.0625W; TC: ±200ppm/°C; Tolerance: ±1%; Part Description: General Purpose Thick Film Chip Resistor; Manufacturer: GENERIC; Case: 0402; PressFit: No; Mounted: Yes; Sense: No; Socket: No; SMD: Yes; Manufacturer1 Example: YAGEO PHYCOMP; Manufacturer1 Part Number: 232270674708L; Manufacturer1 ComponentHeight: 0.4mm; HelpURL: \\cern.ch\dfs\Applications\Altium\Datasheets\R0402_Phycomp_RC0402.pdf; Author: CERN DEM JLC; CreateDate: 12/03/07 00:00:00; LatestRevisionDate: 10/17/12 00:00:00; Database Table Name: Resistors; Library Name: Resistors SMD; Footprint Library: Resistors SMD; License: CC-BY-SA 4.0
R262 = -: Datasheet: \\cern.ch\dfs\Applications\Altium\Datasheets\R0402_Phycomp_RC0402.pdf; Val: 1k; Library Ref: Resistor - 1%; Library Path: SchLib\Resistors.SchLib; Comment: 1k; Component Kind: Standard; Component Type: Standard; Pin Count: 2; Footprint Path: PcbLib\Resistors SMD.PcbLib; Footprint Ref: RESC1005X40N; Status: Not Recommended; Power: 0.0625W; TC: ±100ppm/°C; Tolerance: ±1%; Part Description: General Purpose Thick Film Chip Resistor; Manufacturer: GENERIC; Case: 0402; PressFit: No; Mounted: Yes; Sense: No; Socket: No; SMD: Yes; Manufacturer1 Example: YAGEO PHYCOMP; Manufacturer1 Part Number: 232270671002L; Manufacturer1 ComponentHeight: 0.4mm; HelpURL: \\cern.ch\dfs\Applications\Altium\Datasheets\R0402_Phycomp_RC0402.pdf; Author: CERN DEM JLC; CreateDate: 12/03/07 00:00:00; LatestRevisionDate: 10/17/12 00:00:00; Database Table Name: Resistors; Library Name: Resistors SMD; Footprint Library: Resistors SMD; License: CC-BY-SA 4.0
R397 R398 R400 R401 = -: Datasheet: \\cern.ch\dfs\Applications\Altium\Datasheets\R0805_NIC_NRC.pdf; Description: ±1%; Val: 2M2; Library Ref: Resistor - 1%; Library Path: SchLib\Resistors.SchLib; Comment: 2M2; Component Kind: Standard; Component Type: Standard; Pin Count: 2; Footprint Path: PcbLib\Resistors SMD.PcbLib; Footprint Ref: RESC2012X60N; Status: Preferred; Power: 0.125W; TC: ±100ppm/°C; Tolerance: ±1%; Part Description: General Purpose Thick Film Chip Resistor; Manufacturer: GENERIC; Case: 0805; PressFit: No; Mounted: Yes; Sense: No; Socket: No; SMD: Yes; Manufacturer1 Example: NIC COMPONENT; Manufacturer1 Part Number: NRC10F2204TRF; Manufacturer1 ComponentHeight: 0.6mm; HelpURL: \\cern.ch\dfs\Applications\Altium\Datasheets\R0805_NIC_NRC.pdf; Author: CERN DEM JLC; CreateDate: 12/03/07 00:00:00; LatestRevisionDate: 03/13/08 00:00:00; Database Table Name: Resistors; Library Name: Resistors SMD; Footprint Library: Resistors SMD; License: CC-BY-SA 4.0
R402 = -: Datasheet: \\cern.ch\dfs\Applications\Altium\Datasheets\R0402_Phycomp_RC0402.pdf; Description: ±1%; Val: 10k; Library Ref: Resistor - 1%; Library Path: SchLib\Resistors.SchLib; Comment: 10k; Component Kind: Standard; Component Type: Standard; Pin Count: 2; Footprint Path: PcbLib\Resistors SMD.PcbLib; Footprint Ref: RESC1005X40N; Status: Not Recommended; Power: 0.0625W; TC: ±100ppm/°C; Tolerance: ±1%; Part Description: General Purpose Thick Film Chip Resistor; Manufacturer: GENERIC; Case: 0402; PressFit: No; Mounted: No; Sense: No; Socket: No; SMD: Yes; Manufacturer1 Example: YAGEO PHYCOMP; Manufacturer1 Part Number: 232270671003L; Manufacturer1 ComponentHeight: 0.4mm; HelpURL: \\cern.ch\dfs\Applications\Altium\Datasheets\R0402_Phycomp_RC0402.pdf; Author: CERN DEM JLC; CreateDate: 12/03/07 00:00:00; LatestRevisionDate: 10/17/12 00:00:00; Database Table Name: Resistors; Library Name: Resistors SMD; Footprint Library: Resistors SMD; License: CC-BY-SA 4.0
R416 = -: Datasheet: \\cern.ch\dfs\Applications\Altium\Datasheets\R1206_NIC_NRC.pdf; Description: 0; Library Ref: Resistor; Library Path: SchLib\Resistors.SchLib; Comment: 0; Component Kind: Standard; Component Type: Standard; Pin Count: 2; Footprint Path: PcbLib\Resistors SMD.PcbLib; Footprint Ref: RESC3216X65N; Status: Preferred; Part Description: 2A (0.05R Max DC Resistance) Zero Ohm Jumper; Manufacturer: GENERIC; Case: 1206; PressFit: No; Mounted: No; Sense: No; Socket: No; SMD: Yes; Manufacturer1 Example: NIC COMPONENT; Manufacturer1 Part Number: NRC12Z0; Manufacturer1 ComponentHeight: 0.65mm; HelpURL: \\cern.ch\dfs\Applications\Altium\Datasheets\R1206_NIC_NRC.pdf; Author: CERN DEM JLC; CreateDate: 12/03/07 00:00:00; LatestRevisionDate: 03/13/08 00:00:00; Database Table Name: Resistors; Library Name: Resistors SMD; Footprint Library: Resistors SMD; License: CC-BY-SA 4.0
R417 = -: Datasheet: \\cern.ch\dfs\Applications\Altium\Datasheets\R0402_Phycomp_RC0402.pdf; SMD: Yes; Tolerance: ±1%; Val: 4k7; Library Ref: Resistor - 1%; Library Path: SchLib\Resistors.SchLib; Comment: 4k7; Component Kind: Standard; Component Type: Standard; Pin Count: 2; Footprint Path: PcbLib\Resistors SMD.PcbLib; Footprint Ref: RESC1005X40N; Status: Not Recommended; Power: 0.0625W; Part Description: General Purpose Thick Film Chip Resistor; Manufacturer: GENERIC; Case: 0402; PressFit: No; Mounted: Yes; Sense: No; Socket: No; Manufacturer1 Example: YAGEO PHYCOMP; Manufacturer1 Part Number: 232270674702L; Manufacturer1 ComponentHeight: 0.4mm; HelpURL: \\cern.ch\dfs\Applications\Altium\Datasheets\R0402_Phycomp_RC0402.pdf; Author: CERN DEM JLC; CreateDate: 12/03/07 00:00:00; LatestRevisionDate: 10/17/12 00:00:00; Database Table Name: Resistors; Library Name: Resistors SMD; Footprint Library: Resistors SMD; License: CC-BY-SA 4.0
SCREW1-SCREW4 = -: Datasheet: \\cern.ch\dfs\Applications\Altium\Datasheets\BOSSARD_BN5687-3061600.pdf; Description: M2.5x10; Library Ref: Screw; Library Path: SchLib\Fasteners & Fixings.SchLib; Comment: M2.5x10; Component Kind: Standard; Component Type: Mechanical; Pin Count: 0; Footprint Path: PcbLib\Fasteners & Fixings.PcbLib; PackageDescription: M2.5 L=10mm Hexalobular Socket Pan Head Screw, Fully Threaded - Stainless Steel A2; Mounted: Yes; Socket: No; SMD: No; PressFit: No; Sense: No; Status: None; Part Description: M2.5 L=10mm Hexalobular Socket Pan Head Screw, Fully Threaded, Stainless Steel A2; Manufacturer: BOSSARD; Manufacturer Part Number: BN5687 Art.3061600; ComponentHeight: 2.1mm; HelpURL: \\cern.ch\dfs\Applications\Altium\Datasheets\BOSSARD_BN5687-3061600.pdf; Author: CERN DEM JLC; CreateDate: 10/22/12 00:00:00; LatestRevisionDate: 10/22/12 00:00:00; Database Table Name: Eletro-mechanical; Library Name: Fasteners & Fixings; Footprint Library: Fasteners & Fixings; License: CC-BY-SA 4.0
